# Altium PCB TFT-ES32-V1.PcbDoc (part 1 of 2)
Units mm, origin at the board's own origin, x right, y up, seen from the top; angles counter-clockwise.
Board outline 131.19 x 86.49 mm, 2 copper layers (Top Layer, Bottom Layer); 160 components, 114 nets, 561 pads, 168 vias.
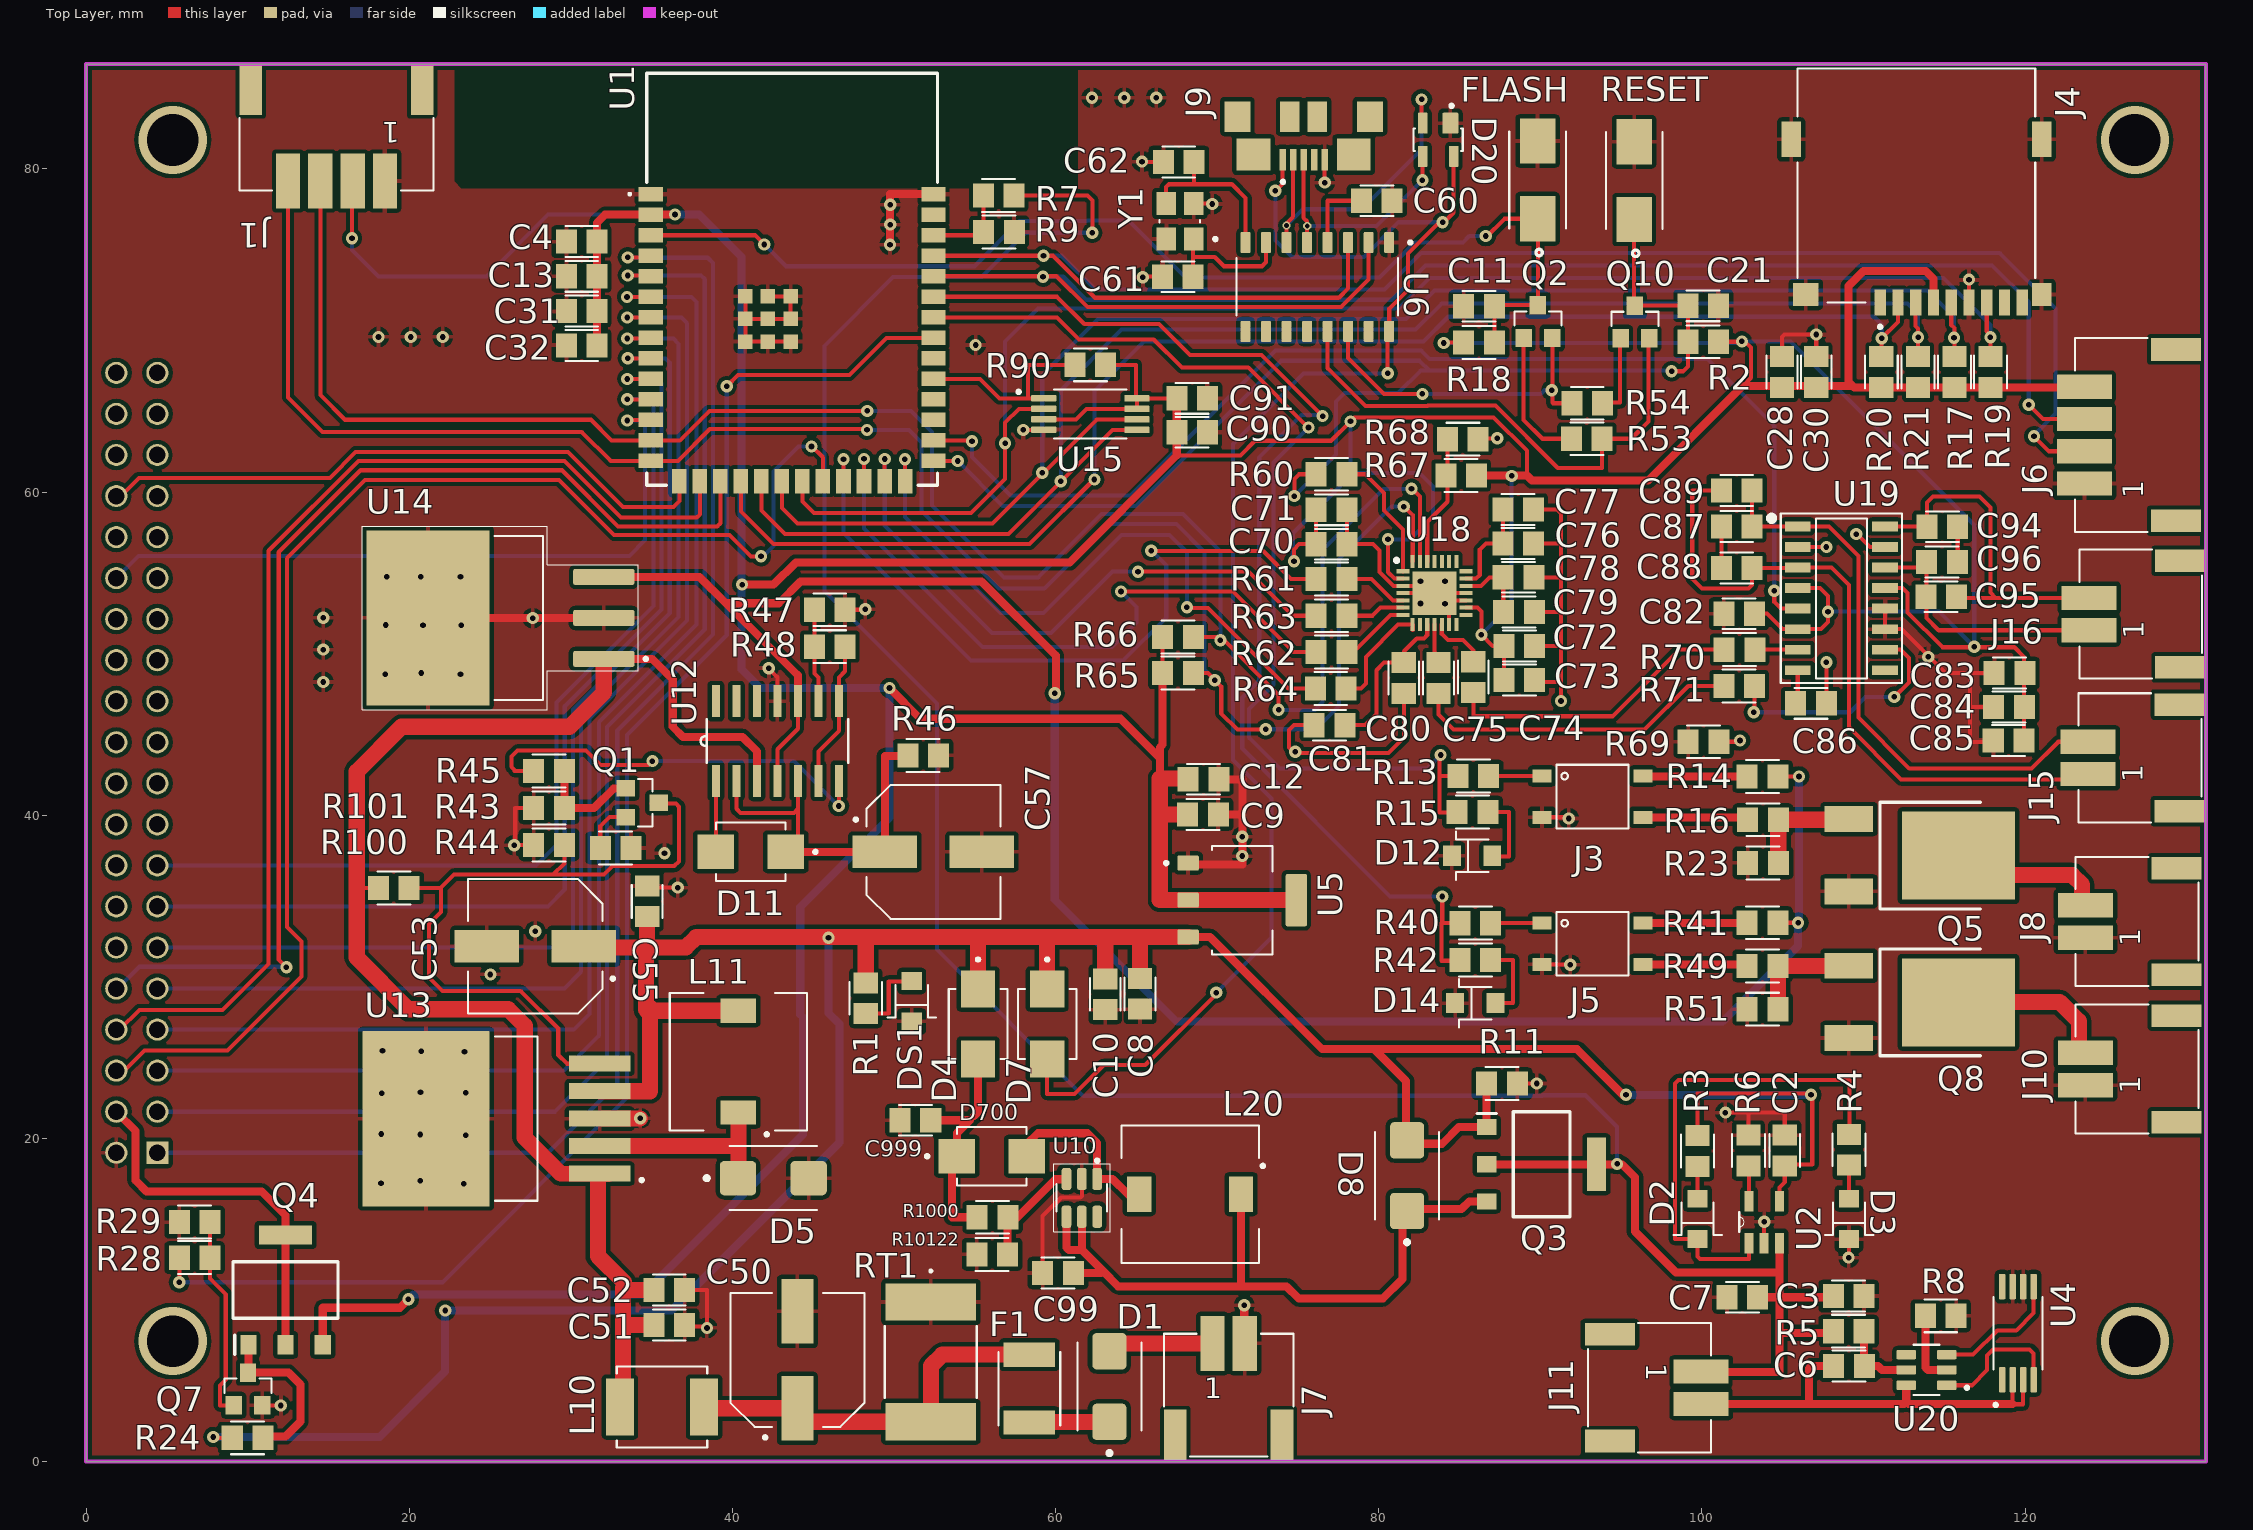
[diagram p0: Top Layer view]
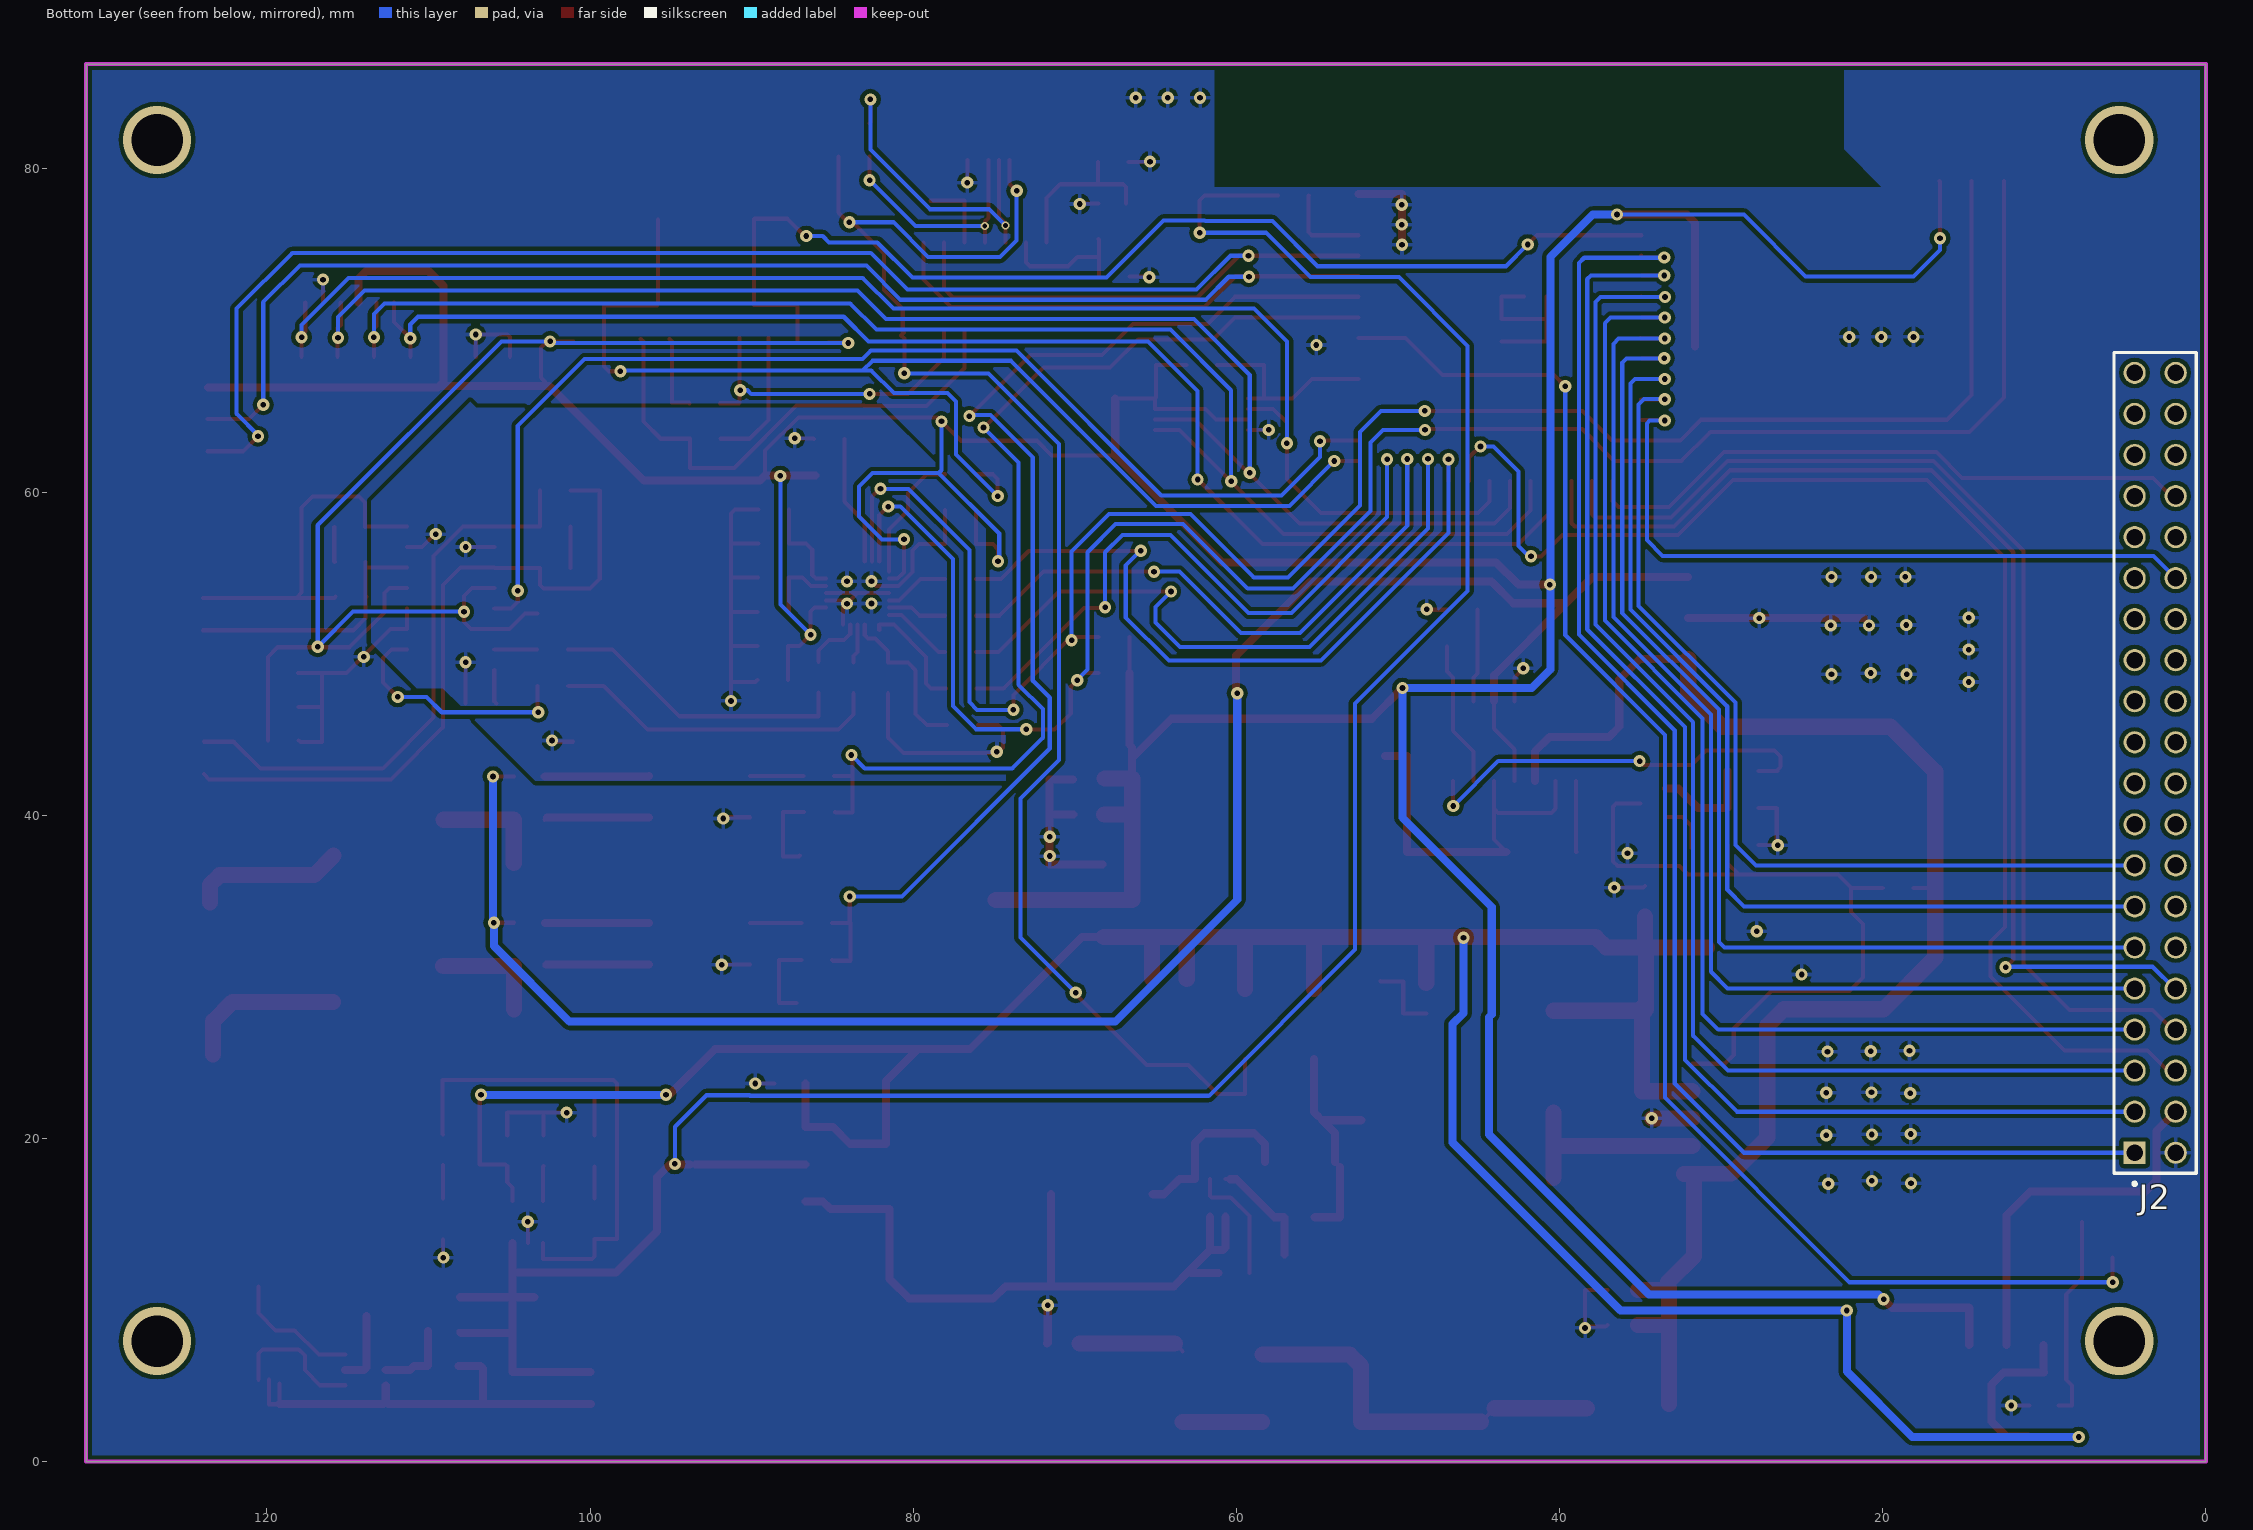
[diagram p1: Bottom Layer view, seen from below]
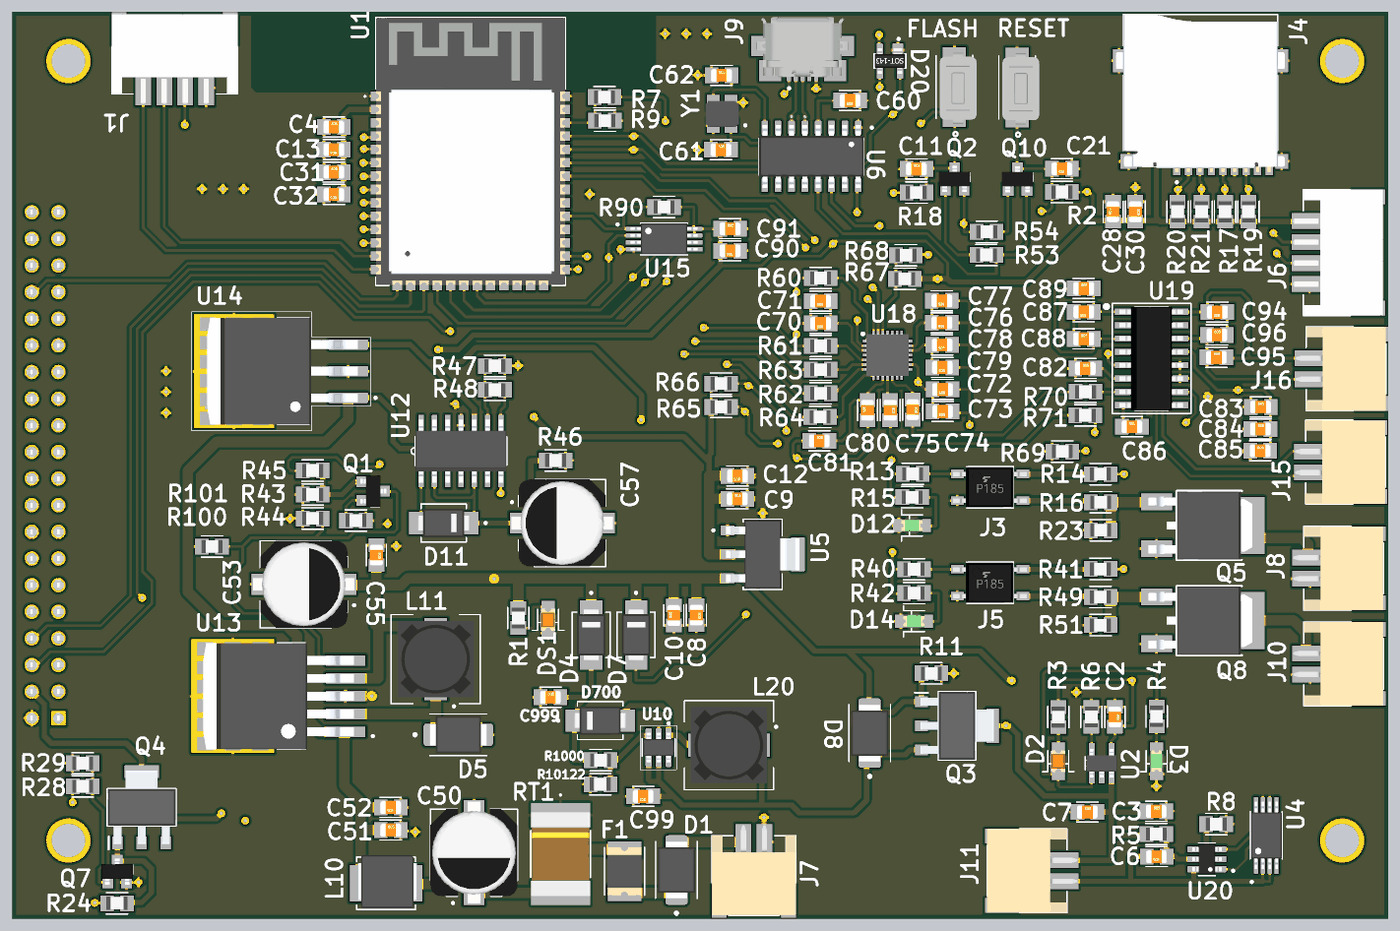
[diagram p3: 3D render of the assembled board from above, using the file's embedded part models]

## Layer stack, top to bottom
Top Solder: solder mask 0.0102, Solder Resist, Dk 3.5
Top Layer: signal copper 0.0356
Dielectric 1: dielectric 0.32, FR-4, Dk 4.8
Bottom Layer: signal copper 0.0356
Bottom Solder: solder mask 0.0102, Solder Resist, Dk 3.5

## Board outline
0,0 0,86.49 131.19,86.49 131.19,0

## Design rules (kind name [scope] priority, off if disabled: settings)
Clearance [All] p1: gap=0.254 ignorepadtopadclearanceinfootprint=FALSE except(0: Arc-Hole Track-Hole SMDPad-Hole THPad-Hole Via-Hole Fill-Hole Poly-Hole Region-Hole Text-Hole; 0.11: Arc-Arc Arc-Track Arc-SMDPad Track-Track Track-SMDPad SMDPad-SMDPad)
PolygonConnect [All] p1: connectstyle=Relief reliefconductorwidth=0.254 reliefentries=4 polygonreliefangle="90 Angle" airgapwidth=0.254
RoutingVias [All] p1: holewidth=0.711 width=1.27 viastyle="Through Hole" minholewidth=0.711 minwidth=1.27 maxholewidth=0.711 maxwidth=1.27
SolderMaskExpansion [All] p1: expansion=0.102
Width [All] p1: maxlimit=4 minlimit=0.254 preferedwidth=0.254
30 further rules are at their usual default settings.

## Components (designator, comment, footprint, x,y, rotation, side; value= is the part's Value field where it differs from the comment)
C2 "4.7uF/5V" C_0805-3D 105.125,19.25 r270 top
C3 "10uF" C_0805-3D 109.075,10.25 r0 top
C4 "100uF" C_0805-3D 30.675,75.5 r0 top
C6 "10uF/5V" C_0805-3D 109.1,5.925 r180 top
C7 "4.7uF/5V" C_0805-3D 102.5,10.175 r0 top
C8 "47uF" C_0805-3D 65.225,28.95 r270 top
C9 "47uF" C_0805-3D 69.125,40.05 r0 top
C10 "100nF" C_0805-3D 63.075,28.925 r90 top
C11 "1uF" C_0805-3D 86.2,71.5 r0 top
C12 "100nF" C_0805-3D 69.15,42.225 r180 top
C13 "10uF" C_0805-3D 30.675,73.35 r180 top
C21 "1uF" C_0805-3D 100.075,71.525 r180 top
C28 "10uF" C_0805-3D 104.95,67.425 r90 top
C30 "100nF" C_0805-3D 107.075,67.425 r270 top
C31 "100uF" C_0805-3D 30.675,71.2 r0 top
C32 "47uF" C_0805-3D 30.675,69.075 r180 top
C50 "470uF/35V" "CAP_EEEFP1V221AV - duplicate" 44.025,6.3 r90 top
C51 "100nF" C_0805-3D 36.09,8.459 r0 top
C52 "100nF" C_0805-3D 36.09,10.618 r180 top
C53 "330uF/10V" "CAP_EEEFP1V221AV - duplicate" 27.801,31.893 r180 top
C55 "100nF" C_0805-3D 34.725,34.675 r270 top
C57 "CAP" "CAP_EEEFP1V221AV - duplicate" 52.439,37.735 r0 top value=100nF
C60 "10nf" C_0805-3D 79.883,78.028 r180 top
C61 "capacitor caramico" C_0805-3D 67.564,73.329 r0 top value=22pf
C62 "capacitor caramico" C_0805-3D 67.625,80.425 r0 top value=22pf
C70 "10uF" C_0805-3D 77.075,56.775 r180 top
C71 "0.1uF" C_0805-3D 77.075,58.9 r180 top
C72 "0.1uF" C_0805-3D 88.7,50.475 r180 top
C73 "10uF" C_0805-3D 88.7,48.375 r180 top
C74 "capacitor caramico" C_0805-3D 85.85,48.55 r270 top
C75 "capacitor caramico" C_0805-3D 83.7,48.5 r270 top
C76 "capacitor caramico" C_0805-3D 88.625,56.825 r180 top
C77 "capacitor caramico" C_0805-3D 88.625,58.925 r180 top
C78 "capacitor caramico" C_0805-3D 88.65,54.725 r180 top
C79 "capacitor caramico" C_0805-3D 88.675,52.575 r180 top
C80 "capacitor caramico" C_0805-3D 81.55,48.5 r90 top
C81 "capacitor caramico" C_0805-3D 76.95,45.575 r0 top
C82 "capacitor caramico" C_0805-3D 102.3,52.475 r0 top
C83 "capacitor caramico" C_0805-3D 119.025,48.8 r0 top
C84 "capacitor caramico" C_0805-3D 119,46.7 r0 top
C85 "capacitor caramico" C_0805-3D 118.975,44.625 r0 top
C86 "capacitor caramico" C_0805-3D 106.75,46.925 r0 top
C87 "capacitor caramico" C_0805-3D 102.15,57.875 r180 top
C88 "capacitor caramico" C_0805-3D 102.15,55.3 r0 top
C89 "capacitor caramico" C_0805-3D 102.15,60.1 r0 top
C90 "100nF" C_0805-3D 68.45,63.7 r180 top
C91 "10uF" C_0805-3D 68.45,65.8 r0 top
C94 "capacitor caramico" C_0805-3D 114.875,57.85 r180 top
C95 "capacitor caramico" C_0805-3D 114.8,53.525 r0 top
C96 "capacitor caramico" C_0805-3D 114.85,55.675 r0 top
C99 "capacitor caramico" C_0805-3D 60.15,11.675 r180 top value=22uF
C999 "capacitor caramico" C_0805-3D 51.325,21.125 r0 top value=22uF
D1 "MBRS360BT3G" DIOM5436X247N 63.329,4.649 r90 top
D2 "RED" D_0805-RED 99.725,15.025 r270 top
D3 "GREEN" D_0805-GREEN 109.1,15.025 r270 top value=LTST-C171GKT
D4 "SS56B-HF" "SS56B-HF DO-214AA (SMB)" 55.2,27.075 r270 top value="Diodo Schottky 60 V 5A"
D5 "MBRS360BT3G" DIOM5436X247N 42.533,17.542 r0 top
D7 "SS56B-HF" "SS56B-HF DO-214AA (SMB)" 59.477,27.075 r270 top value="Diodo Schottky 60 V 5A"
D8 "MBRS360BT3G" DIOM5436X247N 81.75,17.7 r90 top
D11 "SS56B-HF" "SS56B-HF DO-214AA (SMB)" 41.136,37.735 r180 top value="Diodo Schottky 60 V 5A"
D12 "LTST-C171GKT" D_0805-GREEN 85.775,37.5 r180 top
D14 "LTST-C171GKT" D_0805-GREEN 85.975,28.375 r180 top
D20 "SP0503BAHTG" SOT143 83.675,81.8 r180 top
D700 "SS56B-HF" "SS56B-HF DO-214AA (SMB)" 56.05,18.9 r0 top value="Diodo Schottky 60 V 5A"
DS1 "LED-SMD" D_0805-RED 51.093,28.498 r270 top
F1 "FUSE-MF-MSMF075/24-2" FUSER_MF-MSMF075/24-2 58.376,4.522 r90 top
FLASH "buton-SMD" SW_147873-2 89.825,79.325 r90 top
J1 "620104131822" 620104131822 15.5,79.25 r180 top
J2 "BCS-120-F-D-TE" SAMTEC_BCS-120-F-D-TE 3.145,43.245 r270 bottom
J3 "TLP185" SOP-4-2.54MM 93.45,41.125 r270 top
J4 "SD-micro-GTFP08131Y2HR" AMPHENOL_GTFP08131Y2HR 113.275,81.825 r180 top
J5 "TLP185" SOP-4-2.54MM 93.45,32.025 r270 top
J6 "620104131822" 620104131822 123.675,63.525 r90 top
J7 "HEADER-2P" 620102131822 70.711,7.316 r0 top
J8 "HEADER-2P" 620102131822 123.725,33.425 r90 top
J9 "ZX62R-B-5P" HRS_ZX62R-B-5P 75.35,83.235 r180 top
J10 "HEADER-2P" 620102131822 123.725,24.3 r90 top
J11 "HEADER-2P" 620102131822 99.95,4.575 r270 top
J15 "HEADER-2P" 620102131822 123.9,43.55 r90 top
J16 "HEADER-2P" 620102131822 123.95,52.45 r90 top
L10 "1mH" INDM5650X530N 35.643,3.379 r180 top
L11 "DE0703-33" DE0703-33 40.374,24.756 r90 top
L20 "DE0703-33" DE0703-33 68.325,16.55 r180 top value=22uH
Q1 "S8050" SOT-23 34.425,40.775 r270 top
Q2 "S8050" SOT-23 89.85,70.55 r0 top
Q3 "NTF6P02T3G" SOT230P700X175-4N 90.075,18.4 r0 top
Q4 "NTF6P02T3G" SOT230P700X175-4N 12.35,10.625 r90 top
Q5 "MJD122" DPAK 114.022,37.5 r270 top
Q7 "S8050" SOT-23 10.025,4.5 r0 top
Q8 "MJD122" DPAK 114.022,28.425 r270 top
Q10 "S8050" SOT-23 95.85,70.525 r0 top
R1 "470" R_0805 48.25,28.675 r90 top
R2 "10K 5%" R_0805 100.075,69.3 r0 top
R3 "470" R_0805 99.725,19.225 r270 top
R4 "470" R_0805 109.1,19.3 r270 top
R5 "100R" R_0805 109.075,8.075 r180 top
R6 "2K" R_0805 102.875,19.25 r270 top
R7 "200K" R_0805 56.475,78.35 r0 top
R8 "1K" R_0805 114.775,9.025 r180 top
R9 "100K" R_0805 56.5,76.1 r180 top
R11 "10K" R_0805 87.625,23.4 r0 top
R13 "220" R_0805 85.85,42.425 r0 top
R14 "1k" R_0805 103.75,42.4 r0 top
R15 "220" R_0805 85.8,40.2 r0 top
R16 "1K" R_0805 103.775,39.725 r0 top
R17 "10K" R_0805 115.625,67.425 r270 top
R18 "10K 5%" R_0805 86.2,69.25 r180 top
R19 "10K" R_0805 117.85,67.425 r270 top
R20 "10K" R_0805 111.1,67.425 r270 top
R21 "10K" R_0805 113.375,67.425 r270 top
R23 "1K" R_0805 103.775,37.05 r0 top
R24 "100K" R_0805 10,1.475 r180 top
R28 "100R" R_0805 6.725,12.625 r180 top
R29 "10K" R_0805 6.725,14.825 r0 top
R40 "220" R_0805 85.975,33.325 r180 top
R41 "1K" R_0805 103.75,33.35 r180 top
R42 "220" R_0805 85.975,31.05 r180 top
R43 "10K" R_0805 28.651,40.454 r0 top
R44 "523k" R_0805 28.651,38.168 r0 top
R45 "10K" R_0805 28.651,42.74 r0 top
R46 "10M" R_0805 51.804,43.704 r180 top
R47 "1K" R_0805 46.028,52.721 r180 top
R48 "5k" R_0805 46.028,50.435 r180 top
R49 "1K" R_0805 103.75,30.675 r180 top
R51 "1K" R_0805 103.75,28 r180 top
R53 "10K 5%" R_0805 92.875,63.3 r180 top
R54 "10K 5%" R_0805 92.9,65.5 r0 top
R60 "33R" R_0805 77.075,61.1 r0 top
R61 "33R" R_0805 77.075,54.625 r0 top
R62 "33R" R_0805 77.075,50.1 r0 top
R63 "33R" R_0805 77.075,52.35 r0 top
R64 "33R" R_0805 77.025,47.85 r0 top
R65 "4K7" R_0805 67.575,48.8 r180 top